# KiCad board robot-hub_rev3.kicad_pcb (continued)
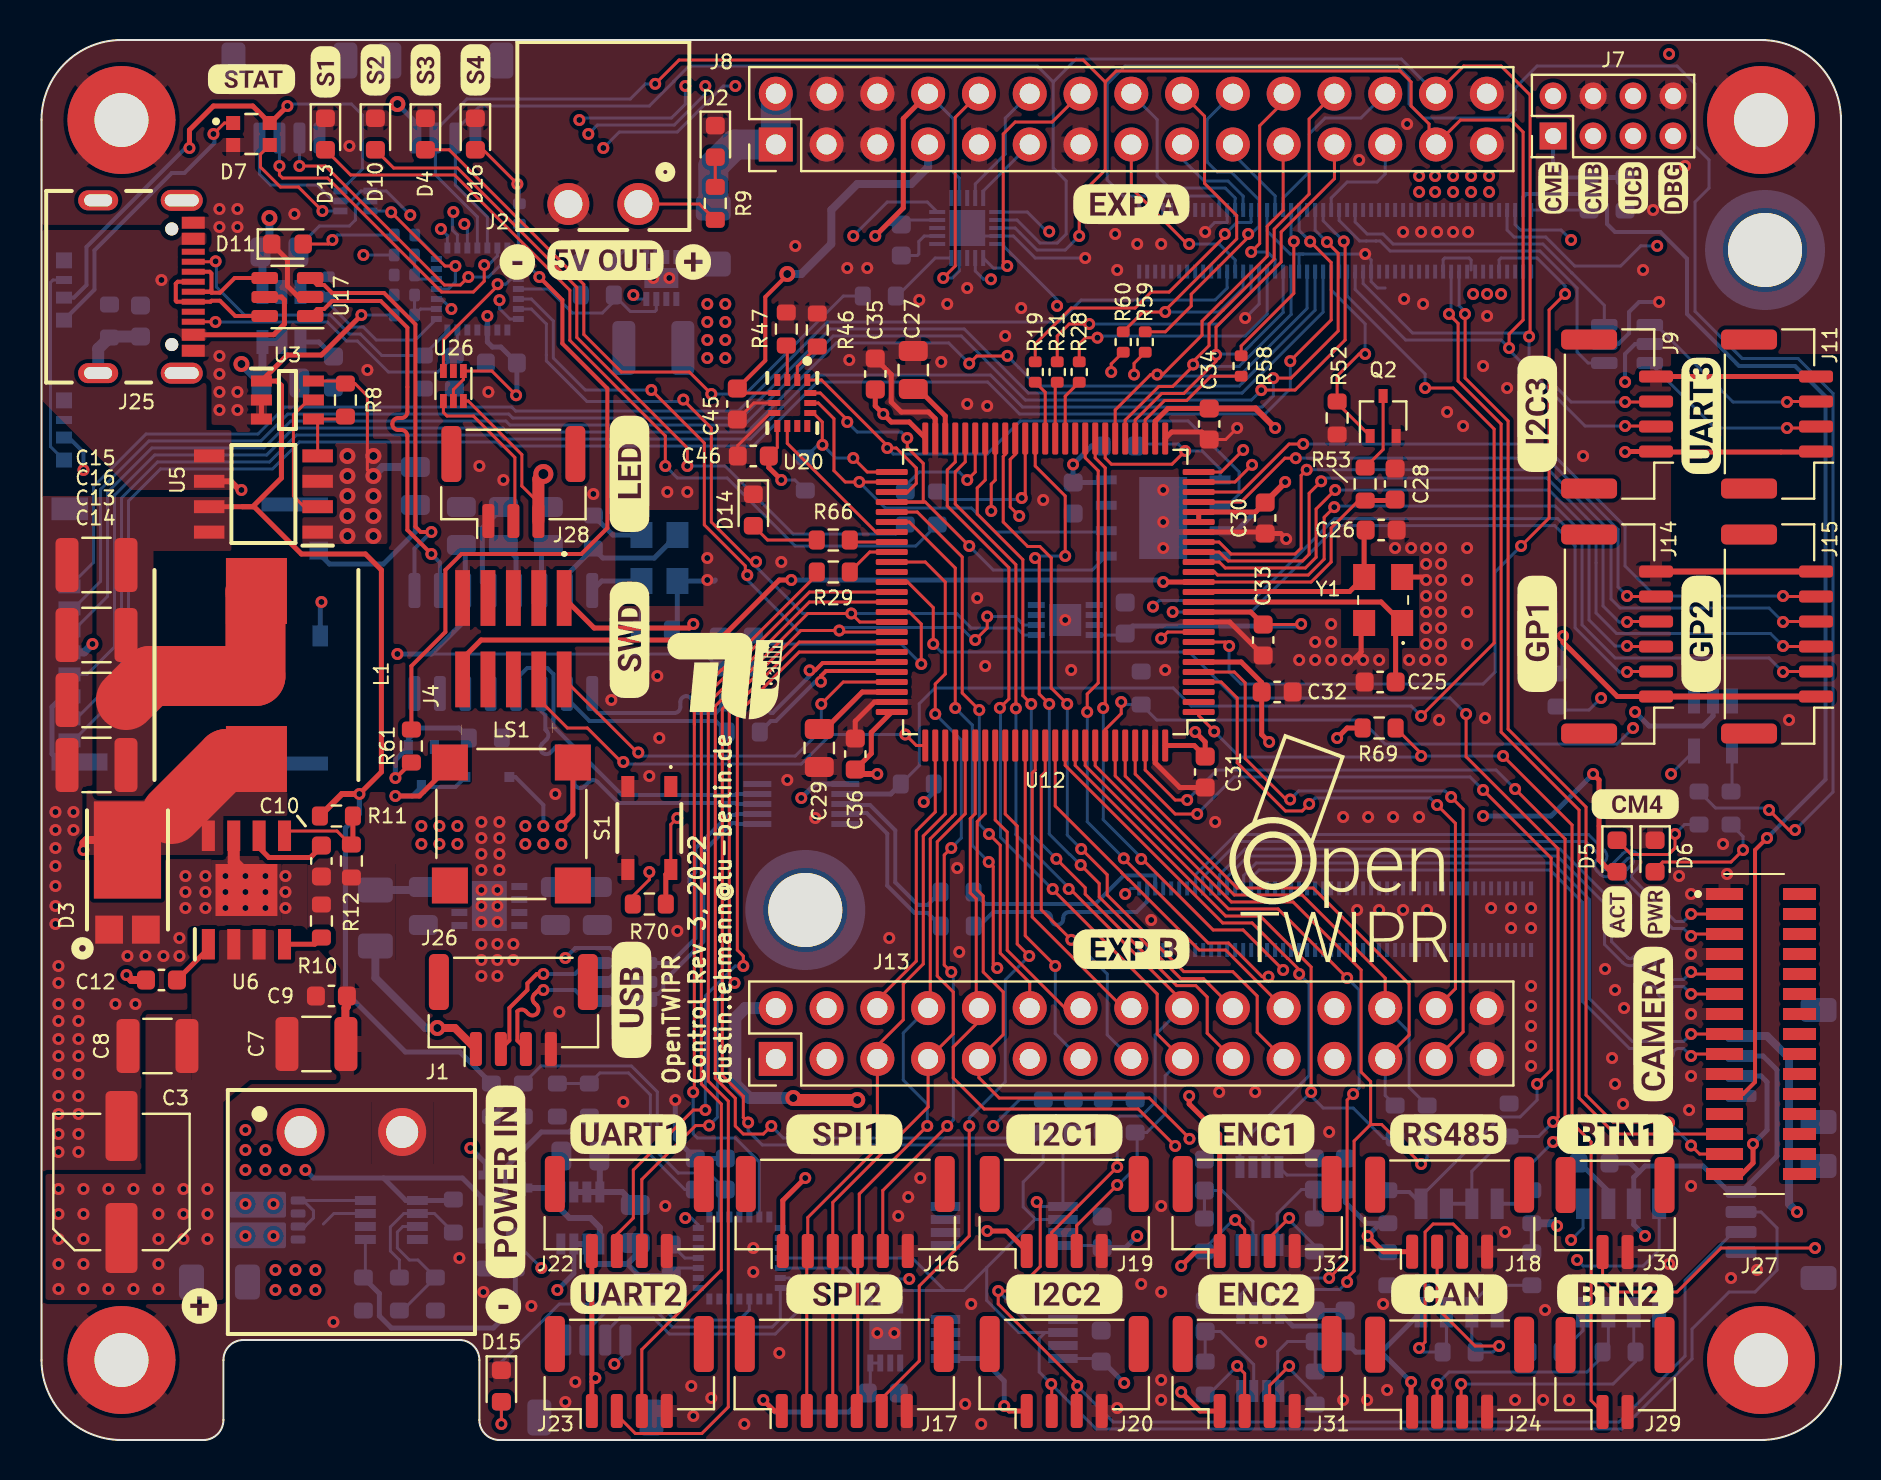
[diagram p0: board, top side]
## Library data of the parts (continued)
U4 = -: Datasheet: http://www.ti.com/lit/gpn/TPS22975; Description: 5.7V, 6A, 16m load switch with adjustable rise time & optional QOD; Height: 0.8; Manufacturer_Name: Texas Instruments; Mouser Part Number: 595-TPS22975NDSGT; Mouser Price/Stock: https://www.mouser.co.uk/ProductDetail/Texas-Instruments/TPS22975NDSGT?qs=zEmsApcVOkULdeorrdFAdw%3D%3D
U5 = -: OC_FARNELL: 1864523; OC_NEWARK: 25T5523; PACKAGE: SOIC-8; SUPPLIER: INTERNATIONAL RECTIFIER
U6 = -: Datasheet: http://www.ti.com/lit/gpn/lmr14050-q1; Description: Automotive 40V, 5A SIMPLE SWITCHER, 2.2MHz Step-Down Regulator with 40uA IQ; Height: 1.7; Manufacturer_Name: Texas Instruments; Mouser Part Number: 595-LMR14050SSDDARQ1; Mouser Price/Stock: https://www.mouser.co.uk/ProductDetail/Texas-Instruments/LMR14050SSQDDARQ1?qs=8%2FmU9qzJpL8CzCGeZgikSg%3D%3D
U7 = -: Datasheet: https://www.onsemi.com/pdf/datasheet/ncv8187-d.pdf; Description: LDO Voltage Regulators 1.2 A LOW IQ LOW DROPOUT VOLTAGE REGULATOR WITH POWER GOOD OUTPUT; Height: 1; Manufacturer_Name: ON Semiconductor; Mouser Part Number: 863-CV8187AMLE330TCG; Mouser Price/Stock: https://www.mouser.co.uk/ProductDetail/onsemi/NCV8187AMLE330TCG?qs=HBWAp0VN4RhK8HbhfCLXcQ%3D%3D
U8 U9 = -: Datasheet: https://www.arrow.com/en/products/m24512-dfdw6tp/stmicroelectronics; Description: EEPROM Serial-I2C 512K-bit 64K x 8 1.8V/2.5V/3.3V/5V 8-Pin TSSOP T/R; Height: 1.2; Manufacturer_Name: STMicroelectronics; Mouser Part Number: 511-M24512-DFDW6TP; Mouser Price/Stock: https://www.mouser.co.uk/ProductDetail/STMicroelectronics/M24512-DFDW6TP?qs=gNDSiZmRJS9C0LA%252B72O%2FCg%3D%3D
U10 = -: Datasheet: http://www.ti.com/lit/gpn/tps22810-q1; Description: Automotive 18V, 2A, 79m Load Switch With Adjustable Rise Time and Adjustable Quick Output Discharge; Height: 1.45; Manufacturer_Name: Texas Instruments; Mouser Part Number: 595-TPS22810TDBVRQ1; Mouser Price/Stock: https://www.mouser.co.uk/ProductDetail/Texas-Instruments/TPS22810TDBVRQ1?qs=55YtniHzbhC0pJNCFuxHfA%3D%3D
U11 = -: Datasheet: http://www.cypress.com/file/136076/download; Description: F-RAM F-RAM Memory Serial; Height: 0.8; Manufacturer_Name: Cypress Semiconductor; Mouser Part Number: 727-FM25V20A-DGQTR; Mouser Price/Stock: https://www.mouser.co.uk/ProductDetail/Cypress-Semiconductor/FM25V20A-DGQTR?qs=3Bi3m9r5MQaAAGOKvDXXuw%3D%3D
U12 = -: Datasheet: http://www.st.com/st-web-ui/static/active/en/resource/technical/document/datasheet/DM00387108.pdf; ki_fp_filters: LQFP*14x14mm*P0.5mm*
U13 U14 = -: Datasheet: https://www.st.com/resource/en/datasheet/stm32g031c6.pdf; Description: STMICROELECTRONICS - STM32G031G6U6 - ARM MCU, STM32 Family STM32G0 Series Microcontrollers, ARM Cortex-M0+, 32bit, 64 MHz, 32 KB, 8 KB; Height: 0.6; Manufacturer_Name: STMicroelectronics; Mouser Part Number: 511-STM32G031G6U6; Mouser Price/Stock: https://www.mouser.co.uk/ProductDetail/STMicroelectronics/STM32G031G6U6?qs=uwxL4vQweFPW1MMtF4vVDQ%3D%3D
U15 U17 U18 = -: Datasheet: http://www2.st.com/resource/en/datasheet/CD00050750.pdf; ki_fp_filters: SOT?23*
U19 = -: Datasheet: https://www.onsemi.com/pub/Collateral/FSUSB42-D.PDF; ki_fp_filters: MSOP*3x3mm*P0.5mm*
U20 = -: Description: IMUs - Inertial Measurement Units 9-axis (9DOF) Absolute Orientation MEMS Sensor; Height: 0.88; Manufacturer_Name: Bosch Sensortec; Mouser Part Number: 262-BMX160; Mouser Price/Stock: https://www.mouser.co.uk/ProductDetail/Bosch-Sensortec/BMX160?qs=w%2Fv1CP2dgqoayZdn49CsrA%3D%3D
U21 U22 = -: Datasheet: http://www.nxp.com/docs/en/data-sheet/PCT2075.pdf; Description: NXP - PCT2075TP,147 - Temperature Sensor IC, Digital, +/- 2C, -55 C, 125 C, SON, 8 Pins; Height: 0.8; Manufacturer_Name: NXP; Mouser Part Number: 771-PCT2075TP147; Mouser Price/Stock: https://www.mouser.co.uk/ProductDetail/NXP-Semiconductors/PCT2075TP147?qs=8kBc1%252BPe71eEyKWf3YBaGA%3D%3D
U23 = -: Datasheet: https://www.semtech.com/products/smart-sensing/io-expanders/sx1508b; Description: Lowest Voltage Level Shifting GPIO with LED Driver 20-Pin QFN-UT EP T/R; Height: 0.6; Manufacturer_Name: SEMTECH; Mouser Part Number: 947-SX1508BIULTRT; Mouser Price/Stock: https://www.mouser.co.uk/ProductDetail/Semtech/SX1508BIULTRT?qs=rBWM4%252BvDhIe1wnlgK0kn%2FQ%3D%3D
U24 = -: Datasheet: http://www.onsemi.com/pub/Collateral/MC74VHC1G14-D.PDF; Height: 1.1; Manufacturer_Name: ON Semiconductor; Mouser Part Number: 863-MC74VHC1G14DTT1G; Mouser Price/Stock: https://www.mouser.co.uk/ProductDetail/ON-Semiconductor/MC74VHC1G14DTT1G?qs=YOLdObVcOZkwAVViVe9vSg%3D%3D
U25 U26 = -: Datasheet: https://www.diodes.com/assets/Datasheets/74LVC1T45.pdf; Description: Translation - Voltage Levels Sgl Bit 1 Gate 5.5V 24mA 16uA 3 State; Height: 0.6; Manufacturer_Name: Diodes Inc.; Mouser Part Number: 621-74LVC1T45Z6-7; Mouser Price/Stock: https://www.mouser.co.uk/ProductDetail/Diodes-Incorporated/74LVC1T45Z6-7?qs=Oxncjon6mbri043VV7aCkA%3D%3D
U27 U28 = -: Datasheet: http://www.ti.com/lit/gpn/sn74lvc3g17; Description: Texas Instruments SN74LVC3G17DCTR, Triple, Schmitt Trigger Buffer, Non-Inverting, 1.65  5.5 V, 8-Pin SSOP; Height: 1.3; Manufacturer_Name: Texas Instruments; Mouser Part Number: 595-SN74LVC3G17DCTR; Mouser Price/Stock: https://www.mouser.co.uk/ProductDetail/Texas-Instruments/SN74LVC3G17DCTR?qs=0smPjiIwnfJoh6NdDLRU8g%3D%3D
U29 = -: Datasheet: http://www.ti.com/lit/ds/symlink/sn65hvd230.pdf; ki_fp_filters: SOIC*3.9x4.9mm*P1.27mm*
U30 = -: Datasheet: https://datasheets.maximintegrated.com/en/ds/MAX3483-MAX3491.pdf; ki_fp_filters: DIP*W7.62mm* SOIC*3.9x4.9mm*P1.27mm*
Y1 = -: ki_fp_filters: Crystal*
Y2 = -: Datasheet: https://ecsxtal.com/store/pdf/ecx-32.pdf; Description: Crystals 12.000MHz 20pF 10ppm -20C +70C; Height: 0.8; Manufacturer_Name: ECS; Mouser Part Number: 520-120-20-33-CKMT; Mouser Price/Stock: https://www.mouser.co.uk/ProductDetail/ECS/ECS-120-20-33-CKM-TR?qs=ttzZIJSyan3D8IeYzLfaEw%3D%3D

## Footprints (pads in the part's own frame, mm; a bottom-side part is the same pattern mirrored in y, then rotated)
503398-1892
  rect 0.7x1.1 smd: 1(4.17,-1.4) 2(5.27,-1.4) 3(6.37,-1.4) 4(7.47,-1.4) 5(8.57,-1.4) 6(9.67,-1.4) 7(10.77,-1.4) 8(11.87,-1.4)
  rect 0.9x0.93 smd: 9(2.38,-13.865)
  rect 1.05x0.78 smd: 10(6.645,-13.94)
  rect 0.7x3.33 smd: 11(13.03,-12.665) 14(0.07,-12.665)
  rect 0.86x2.8 smd: 12(12.95,-1.9)
  rect 1.14x1.83 smd: 13(0.29,-1.415)
117342485
  rect 0.6x1.85 smd: 1(7,-0.025) 2(6,-0.025) 3(5,-0.025) 4(4,-0.025) 5(3,-0.025) 6(2,-0.025) 7(1,-0.025) 8(0,-0.025) 9(-1,-0.025) 10(-2,-0.025) 11(-3,-0.025) 12(-4,-0.025) 13(-5,-0.025) 14(-6,-0.025) 15(-7,-0.025)
  rect 0.6x1.65 smd: 16(7,-3.775) 17(6,-3.775) 18(5,-3.775) 19(4,-3.775) 20(3,-3.775) 21(2,-3.775) 22(1,-3.775) 23(0,-3.775) 24(-1,-3.775) 25(-2,-3.775) 26(-3,-3.775) 27(-4,-3.775) 28(-5,-3.775) 29(-6,-3.775) 30(-7,-3.775)
434123025826
  rect 1.05x0.65 smd: 1(-2.075,1.075) 2(2.075,1.075) 3(-2.075,-1.075) 4(2.075,-1.075)
691313510002
  round 2.4 hole 1.6: 1(-2.54,0) 2(2.54,0)
691322110002
  round 2.1 hole 1.4: 1(-1.75,0) 2(1.75,0)
C_0603_1608Metric
  rrect 0.9x0.95 smd: 1(-0.775,0) 2(0.775,0)
C_0805_2012Metric
  rrect 1x1.45 smd: 1(-0.95,0) 2(0.95,0)
C_1210_3225Metric
  rrect 1.15x2.7 smd: 1(-1.475,0) 2(1.475,0)
CP_Elec_6.3x5.2
  rrect 3.5x1.6 smd: 1(-2.8,0) 2(2.8,0)
D_SOD-323F
  rect 0.5x0.5 smd: 1(-1.1,0) 2(1.1,0)
ECS1202033CKMTR
  rect 1.3x1.1 smd: 1(-1.15,-0.9) 2(1.15,-0.9) 3(1.15,0.9) 4(-1.15,0.9)
ECS2501833BCKYTR
  rect 1.3x1.1 smd: 1(-1.15,-0.95) 2(1.15,-0.95) 3(1.15,0.95) 4(-1.15,0.95)
FTSH10501LDVK
  rect 0.74x2.79 smd: 1(-2.54,0) 2(-2.54,4.07) 3(-1.27,0) 4(-1.27,4.07) 5(0,0) 6(0,4.07) 7(1.27,0) 8(1.27,4.07) 9(2.54,0) 10(2.54,4.07)
Fuse_1206_3216Metric
  rrect 1.25x1.75 smd: 1(-1.4,0) 2(1.4,0)
GCT_USB4105-GF-A
  round 0.65 hole 0.65 unplated: (-2.89,3.68) (2.89,3.68)
  rect 0.6x1.15 smd: A1_B12(-3.2,4.755) A4_B9(-2.4,4.755) B1_A12(3.2,4.755) B4_A9(2.4,4.755)
  rect 0.3x1.15 smd: A5(-1.25,4.755) A6(-0.25,4.755) A7(0.25,4.755) A8(1.25,4.755) B5(1.75,4.755) B6(0.75,4.755) B7(-0.75,4.755) B8(-1.75,4.755)
  oval 1.05x2.1 hole 0.6x1.7: S1(-4.32,4.18) S4(4.32,4.18)
  oval 1x2 hole 0.6x1.4: S2(-4.32,0) S3(4.32,0)
INDPM105102X500N
  rect 3.3x3.05 smd: 1(-4.2,0) 2(4.2,0)
JST_GH_BM02B-GHS-TBT_1x02-1MP_P1.25mm_Vertical
  rrect 0.6x1.7 smd: 1(-0.625,-1.95) 2(0.625,-1.95)
  rrect 1x2.8 smd: MP(-2.475,1.4) MP(2.475,1.4)
JST_GH_BM03B-GHS-TBT_1x03-1MP_P1.25mm_Vertical
  rrect 0.6x1.7 smd: 1(-1.25,-1.95) 2(0,-1.95) 3(1.25,-1.95)
  rrect 1x2.8 smd: MP(-3.1,1.4) MP(3.1,1.4)
JST_GH_BM04B-GHS-TBT_1x04-1MP_P1.25mm_Vertical
  rrect 0.6x1.7 smd: 1(-1.875,-1.95) 2(-0.625,-1.95) 3(0.625,-1.95) 4(1.875,-1.95)
  rrect 1x2.8 smd: MP(-3.725,1.4) MP(3.725,1.4)
JST_GH_BM06B-GHS-TBT_1x06-1MP_P1.25mm_Vertical
  rrect 0.6x1.7 smd: 1(-3.125,-1.95) 2(-1.875,-1.95) 3(-0.625,-1.95) 4(0.625,-1.95) 5(1.875,-1.95) 6(3.125,-1.95)
  rrect 1x2.8 smd: MP(-4.975,1.4) MP(4.975,1.4)
JST_SH_SM04B-SRSS-TB_1x04-1MP_P1.00mm_Horizontal
  rrect 0.6x1.55 smd: 1(-1.5,2) 2(-0.5,2) 3(0.5,2) 4(1.5,2)
  rrect 1.2x1.8 smd: MP(-2.8,-1.875) MP(2.8,-1.875)
LED_0603_1608Metric
  rrect 0.875x0.95 smd: 1(-0.787,0) 2(0.787,0)
LQFP-100_14x14mm_P0.5mm
  rrect 1.6x0.3 smd: 1(-7.675,6) 2(-7.675,5.5) 3(-7.675,5) 4(-7.675,4.5) 5(-7.675,4) 6(-7.675,3.5) 7(-7.675,3) 8(-7.675,2.5) 9(-7.675,2) 10(-7.675,1.5) 11(-7.675,1) 12(-7.675,0.5) 13(-7.675,0) 14(-7.675,-0.5) 15(-7.675,-1) 16(-7.675,-1.5) 17(-7.675,-2) 18(-7.675,-2.5) 19(-7.675,-3) 20(-7.675,-3.5) 21(-7.675,-4) 22(-7.675,-4.5) 23(-7.675,-5) 24(-7.675,-5.5) 25(-7.675,-6) 51(7.675,-6) 52(7.675,-5.5) 53(7.675,-5) 54(7.675,-4.5) 55(7.675,-4) 56(7.675,-3.5) 57(7.675,-3) 58(7.675,-2.5) 59(7.675,-2) 60(7.675,-1.5) 61(7.675,-1) 62(7.675,-0.5) 63(7.675,0) 64(7.675,0.5) 65(7.675,1) 66(7.675,1.5) 67(7.675,2) 68(7.675,2.5) 69(7.675,3) 70(7.675,3.5) 71(7.675,4) 72(7.675,4.5) 73(7.675,5) 74(7.675,5.5) 75(7.675,6)
  rrect 0.3x1.6 smd: 26(-6,-7.675) 27(-5.5,-7.675) 28(-5,-7.675) 29(-4.5,-7.675) 30(-4,-7.675) 31(-3.5,-7.675) 32(-3,-7.675) 33(-2.5,-7.675) 34(-2,-7.675) 35(-1.5,-7.675) 36(-1,-7.675) 37(-0.5,-7.675) 38(0,-7.675) 39(0.5,-7.675) 40(1,-7.675) 41(1.5,-7.675) 42(2,-7.675) 43(2.5,-7.675) 44(3,-7.675) 45(3.5,-7.675) 46(4,-7.675) 47(4.5,-7.675) 48(5,-7.675) 49(5.5,-7.675) 50(6,-7.675) 76(6,7.675) 77(5.5,7.675) 78(5,7.675) 79(4.5,7.675) 80(4,7.675) 81(3.5,7.675) 82(3,7.675) 83(2.5,7.675) 84(2,7.675) 85(1.5,7.675) 86(1,7.675) 87(0.5,7.675) 88(0,7.675) 89(-0.5,7.675) 90(-1,7.675) 91(-1.5,7.675) 92(-2,7.675) 93(-2.5,7.675) 94(-3,7.675) 95(-3.5,7.675) 96(-4,7.675) 97(-4.5,7.675) 98(-5,7.675) 99(-5.5,7.675) 100(-6,7.675)
MountingHole_2.7mm_M2.5_Pad
  round 5.4 hole 2.7: 1(0,0)
MSOP-10_3x3mm_P0.5mm
  rect 1.4x0.3 smd: 1(-2.2,1) 2(-2.2,0.5) 3(-2.2,0) 4(-2.2,-0.5) 5(-2.2,-1) 6(2.2,-1) 7(2.2,-0.5) 8(2.2,0) 9(2.2,0.5) 10(2.2,1)
PinHeader_2x04_P2.00mm_Vertical
  rect 1.35x1.35 hole 0.8: 1(0,0)
  oval 1.35x1.35 hole 0.8: 2(2,0) 3(0,-2) 4(2,-2) 5(0,-4) 6(2,-4) 7(0,-6) 8(2,-6)
PinHeader_2x15_P2.54mm_Vertical
  rect 1.7x1.7 hole 1: 1(0,0)
  oval 1.7x1.7 hole 1: 2(2.54,0) 3(0,-2.54) 4(2.54,-2.54) 5(0,-5.08) 6(2.54,-5.08) 7(0,-7.62) 8(2.54,-7.62) 9(0,-10.16) 10(2.54,-10.16) 11(0,-12.7) 12(2.54,-12.7) 13(0,-15.24) 14(2.54,-15.24) 15(0,-17.78) 16(2.54,-17.78) 17(0,-20.32) 18(2.54,-20.32) 19(0,-22.86) 20(2.54,-22.86) 21(0,-25.4) 22(2.54,-25.4) 23(0,-27.94) 24(2.54,-27.94) 25(0,-30.48) 26(2.54,-30.48) 27(0,-33.02) 28(2.54,-33.02) 29(0,-35.56) 30(2.54,-35.56)
POWERDI5
  rect 1.39x1.4 smd: 1(-0.92,-3.982) 2(0.92,-3.982)
  rect 3.36x4.86 smd: 3(0,0)
PQFN50P300X250X88-14N
  rect 0.6x0.3 smd: 1(-1.15,0.75) 2(-1.15,0.25) 3(-1.15,-0.25) 4(-1.15,-0.75) 8(1.15,-0.75) 9(1.15,-0.25) 10(1.15,0.25) 11(1.15,0.75)
  rect 0.3x0.6 smd: 5(-0.5,-0.9) 6(0,-0.9) 7(0.5,-0.9) 12(0.5,0.9) 13(0,0.9) 14(-0.5,0.9)
QFN40P300X300X60-21N
  rect 0.8x0.2 smd: 1(-1.5,0.8) 2(-1.5,0.4) 3(-1.5,0) 4(-1.5,-0.4) 5(-1.5,-0.8) 11(1.5,-0.8) 12(1.5,-0.4) 13(1.5,0) 14(1.5,0.4) 15(1.5,0.8)
  rect 0.2x0.8 smd: 6(-0.8,-1.5) 7(-0.4,-1.5) 8(0,-1.5) 9(0.4,-1.5) 10(0.8,-1.5) 16(0.8,1.5) 17(0.4,1.5) 18(0,1.5) 19(-0.4,1.5) 20(-0.8,1.5)
  rect 1.8x1.8 smd: 21(0,0)
QFN50P400X400X60-28N-D
  rect 0.55x0.3 smd: 1(-2.05,1.5) 2(-2.05,1) 3(-2.05,0.5) 4(-2.05,0) 5(-2.05,-0.5) 6(-2.05,-1) 7(-2.05,-1.5) 15(2.05,-1.5) 16(2.05,-1) 17(2.05,-0.5) 18(2.05,0) 19(2.05,0.5) 20(2.05,1) 21(2.05,1.5)
  rect 0.3x0.55 smd: 8(-1.5,-2.05) 9(-1,-2.05) 10(-0.5,-2.05) 11(0,-2.05) 12(0.5,-2.05) 13(1,-2.05) 14(1.5,-2.05) 22(1.5,2.05) 23(1,2.05) 24(0.5,2.05) 25(0,2.05) 26(-0.5,2.05) 27(-1,2.05) 28(-1.5,2.05)
R_0402_1005Metric
  rrect 0.54x0.64 smd: 1(-0.51,0) 2(0.51,0)
R_0603_1608Metric
  rrect 0.8x0.95 smd: 1(-0.825,0) 2(0.825,0)
Raspberry-Pi-4-Compute-Module
  rect 0.7x0.2 smd: 1(-2,31.3) 2(1.08,31.3) 3(-2,30.9) 4(1.08,30.9) 5(-2,30.5) 6(1.08,30.5) 7(-2,30.1) 8(1.08,30.1) 9(-2,29.7) 10(1.08,29.7) 11(-2,29.3) 12(1.08,29.3) 13(-2,28.9) 14(1.08,28.9) 15(-2,28.5) 16(1.08,28.5) 17(-2,28.1) 18(1.08,28.1) 19(-2,27.7) 20(1.08,27.7) 21(-2,27.3) 22(1.08,27.3) 23(-2,26.9) 24(1.08,26.9) 25(-2,26.5) 26(1.08,26.5) 27(-2,26.1) 28(1.08,26.1) 29(-2,25.7) 30(1.08,25.7) 31(-2,25.3) 32(1.08,25.3) 33(-2,24.9) 34(1.08,24.9) 35(-2,24.5) 36(1.08,24.5) 37(-2,24.1) 38(1.08,24.1) 39(-2,23.7) 40(1.08,23.7) 41(-2,23.3) 42(1.08,23.3) 43(-2,22.9) 44(1.08,22.9) 45(-2,22.5) 46(1.08,22.5) 47(-2,22.1) 48(1.08,22.1) 49(-2,21.7) 50(1.08,21.7) 51(-2,21.3) 52(1.08,21.3) 53(-2,20.9) 54(1.08,20.9) 55(-2,20.5) 56(1.08,20.5) 57(-2,20.1) 58(1.08,20.1) 59(-2,19.7) 60(1.08,19.7) 61(-2,19.3) 62(1.08,19.3) 63(-2,18.9) 64(1.08,18.9) 65(-2,18.5) 66(1.08,18.5) 67(-2,18.1) 68(1.08,18.1) 69(-2,17.7) 70(1.08,17.7) 71(-2,17.3) 72(1.08,17.3) 73(-2,16.9) 74(1.08,16.9) 75(-2,16.5) 76(1.08,16.5) 77(-2,16.1) 78(1.08,16.1) 79(-2,15.7) 80(1.08,15.7) 81(-2,15.3) 82(1.08,15.3) 83(-2,14.9) 84(1.08,14.9) 85(-2,14.5) 86(1.08,14.5) 87(-2,14.1) 88(1.08,14.1) 89(-2,13.7) 90(1.08,13.7) 91(-2,13.3) 92(1.08,13.3) 93(-2,12.9) 94(1.08,12.9) 95(-2,12.5) 96(1.08,12.5) 97(-2,12.1) 98(1.08,12.1) 99(-2,11.7) 100(1.08,11.7) 101(31.92,31.3) 102(35,31.3) 103(31.92,30.9) 104(35,30.9) 105(31.92,30.5) 106(35,30.5) 107(31.92,30.1) 108(35,30.1) 109(31.92,29.7) 110(35,29.7) 111(31.92,29.3) 112(35,29.3) 113(31.92,28.9) 114(35,28.9) 115(31.92,28.5) 116(35,28.5) 117(31.92,28.1) 118(35,28.1) 119(31.92,27.7) 120(35,27.7) 121(31.92,27.3) 122(35,27.3) 123(31.92,26.9) 124(35,26.9) 125(31.92,26.5) 126(35,26.5) 127(31.92,26.1) 128(35,26.1) 129(31.92,25.7) 130(35,25.7) 131(31.92,25.3) 132(35,25.3) 133(31.92,24.9) 134(35,24.9) 135(31.92,24.5) 136(35,24.5) 137(31.92,24.1) 138(35,24.1) 139(31.92,23.7) 140(35,23.7) 141(31.92,23.3) 142(35,23.3) 143(31.92,22.9) 144(35,22.9) 145(31.92,22.5) 146(35,22.5) 147(31.92,22.1) 148(35,22.1) 149(31.92,21.7) 150(35,21.7) 151(31.92,21.3) 152(35,21.3) 153(31.92,20.9) 154(35,20.9) 155(31.92,20.5) 156(35,20.5) 157(31.92,20.1) 158(35,20.1) 159(31.92,19.7) 160(35,19.7) 161(31.92,19.3) 162(35,19.3) 163(31.92,18.9) 164(35,18.9) 165(31.92,18.5) 166(35,18.5) 167(31.92,18.1) 168(35,18.1) 169(31.92,17.7) 170(35,17.7) 171(31.92,17.3) 172(35,17.3) 173(31.92,16.9) 174(35,16.9) 175(31.92,16.5) 176(35,16.5) 177(31.92,16.1) 178(35,16.1) 179(31.92,15.7) 180(35,15.7) 181(31.92,15.3) 182(35,15.3) 183(31.92,14.9) 184(35,14.9) 185(31.92,14.5) 186(35,14.5) 187(31.92,14.1) 188(35,14.1) 189(31.92,13.7) 190(35,13.7) 191(31.92,13.3) 192(35,13.3) 193(31.92,12.9) 194(35,12.9) 195(31.92,12.5) 196(35,12.5) 197(31.92,12.1) 198(35,12.1) 199(31.92,11.7) 200(35,11.7)
SK6812SIDE
  rect 0.75x0.8 smd: 1(-1.505,0.325)
  rect 0.6x0.8 smd: 2(-0.38,0.325)
  rect 0.4x0.8 smd: 3(0.5,0.325)
  rect 0.8x0.8 smd: 4(1.48,0.325)
SO-16_3.9x9.9mm_P1.27mm
  rrect 1.75x0.6 smd: 1(-2.575,4.445) 2(-2.575,3.175) 3(-2.575,1.905) 4(-2.575,0.635) 5(-2.575,-0.635) 6(-2.575,-1.905) 7(-2.575,-3.175) 8(-2.575,-4.445) 9(2.575,-4.445) 10(2.575,-3.175) 11(2.575,-1.905) 12(2.575,-0.635) 13(2.575,0.635) 14(2.575,1.905) 15(2.575,3.175) 16(2.575,4.445)
SOIC127P600X170-9N
  rect 1.525x0.65 smd: 1(-2.712,1.905) 2(-2.712,0.635) 3(-2.712,-0.635) 4(-2.712,-1.905) 5(2.712,-1.905) 6(2.712,-0.635) 7(2.712,0.635) 8(2.712,1.905)
  rect 2.6x3.1 smd: 9(0,0)
SOIC127P600X175-8N
  rect 1.525x0.65 smd: 1(-2.712,1.905) 2(-2.712,0.635) 3(-2.712,-0.635) 4(-2.712,-1.905) 5(2.712,-1.905) 6(2.712,-0.635) 7(2.712,0.635) 8(2.712,1.905)
SOIC127P600X175-8N#2
  rect 1.525x0.7 smd: 1(-2.712,1.905) 2(-2.712,0.635) 3(-2.712,-0.635) 4(-2.712,-1.905) 5(2.712,-1.905) 6(2.712,-0.635) 7(2.712,0.635) 8(2.712,1.905)
SON50P200X200X80-9N
  rect 0.7x0.3 smd: 1(-1.05,0.75) 2(-1.05,0.25) 3(-1.05,-0.25) 4(-1.05,-0.75) 5(1.05,-0.75) 6(1.05,-0.25) 7(1.05,0.25) 8(1.05,0.75)
  rect 1x1.7 smd: 9(0,0)
SON50P300X200X80-9N
  rect 0.85x0.3 smd: 1(-1.45,0.75) 2(-1.45,0.25) 3(-1.45,-0.25) 4(-1.45,-0.75) 5(1.45,-0.75) 6(1.45,-0.25) 7(1.45,0.25) 8(1.45,0.75)
  rect 1.6x1.6 smd: 9(0,0)
SON65P300X300X100-9N-D
  rect 0.8x0.35 smd: 1(-1.5,0.975) 2(-1.5,0.325) 3(-1.5,-0.325) 4(-1.5,-0.975) 5(1.5,-0.975) 6(1.5,-0.325) 7(1.5,0.325) 8(1.5,0.975)
  rect 1.75x2.5 smd: 9(0,0)
SON127P600X500X80-9N
  rect 1.05x0.45 smd: 1(-2.85,1.905) 2(-2.85,0.635) 3(-2.85,-0.635) 4(-2.85,-1.905) 5(2.85,-1.905) 6(2.85,-0.635) 7(2.85,0.635) 8(2.85,1.905)
  rect 2.4x4.1 smd: 9(0,0)
SOP65P400X130-8N
  rect 1.1x0.45 smd: 1(-1.95,0.975) 2(-1.95,0.325) 3(-1.95,-0.325) 4(-1.95,-0.975) 5(1.95,-0.975) 6(1.95,-0.325) 7(1.95,0.325) 8(1.95,0.975)
SOP65P640X120-8N
  rect 1.475x0.45 smd: 1(-2.938,0.975) 2(-2.938,0.325) 3(-2.938,-0.325) 4(-2.938,-0.975) 5(2.938,-0.975) 6(2.938,-0.325) 7(2.938,0.325) 8(2.938,0.975)
SOT65P280X100-8N
  rect 1.05x0.45 smd: 1(-1.3,0.975) 2(-1.3,0.325) 3(-1.3,-0.325) 4(-1.3,-0.975) 5(1.3,-0.975) 6(1.3,-0.325) 7(1.3,0.325) 8(1.3,0.975)
SOT95P275X110-5N
  rect 1.25x0.6 smd: 1(-1.25,0.95) 2(-1.25,0) 3(-1.25,-0.95) 4(1.25,-0.95) 5(1.25,0.95)
SOT95P280X100-6N
  rect 1.05x0.55 smd: 1(-1.3,0.95) 2(-1.3,0) 3(-1.3,-0.95) 4(1.3,-0.95) 5(1.3,0) 6(1.3,0.95)
SOT95P280X145-6N
  rect 1.2x0.6 smd: 1(-1.25,0.95) 2(-1.25,0) 3(-1.25,-0.95) 4(1.25,-0.95) 5(1.25,0) 6(1.25,0.95)
SOT-23-6
  rrect 1.325x0.6 smd: 1(-1.137,0.95) 2(-1.137,0) 3(-1.137,-0.95) 4(1.137,-0.95) 5(1.137,0) 6(1.137,0.95)
SOT-323_SC-70
  rect 0.7x0.45 smd: 1(-1,0.65) 2(-1,-0.65) 3(1,0)
SOT-563
  rect 0.7x0.34 smd: 1(-0.75,0.5) 2(-0.75,0) 3(-0.75,-0.5) 4(0.75,-0.5) 5(0.75,0) 6(0.75,0.5)
TRANS_CSD87503Q3ET
  custom 0.74x0.41 smd: 1(-1.535,0.975) 2(-1.535,0.325) 3(-1.535,-0.325) 4(-1.535,-0.975)
  custom 2.83x1.29 smd: 9(0,0.975) 10(0,-0.425)
WA-SMSI-25
  round 6 hole 3.7 unplated: (0,0)
ws2812_2020
  rect 0.7x0.7 smd: 1(-0.915,0.55) 2(-0.915,-0.55) 3(0.915,-0.55) 4(0.915,0.55)
XDCR_CMT-7525-80-SMT-TR
  rect 1.8x1.8 smd: 1(3.075,3.075) 2(3.075,-3.075) N(-3.075,-3.075) P(-3.075,3.075)

## Nets
3V3_CM4: C19.1 C49.1 D5.2 J8.8 J9.1 J10.3 J11.1 J27.15 Module1.78 Module1.84 Module1.86 R45.1 U10.1 U14.28 U15.5 U19.1 U23.1 U23.7 U23.14 U23.17 U24.5
3V3_SUPERVISOR: C2.1 C37.1 J5.1 U1.6 U1.7 U13.3
5V_REG: C13.1 C14.1 C15.1 C16.1 L1.2 R11.1 R30.2 R36.2 U3.1 U5.7 U5.8
5V_SWITCHED: F2.2 J2.1 J8.1 J8.2 J12.1 R9.2
5V_USB: C42.1 J25.A4_B9 J25.B4_A9 R15.1 R34.2 U5.5 U5.6 U16.11 U17.5
+3V3: C17.1 C18.1 C20.1 C21.2 C22.1 C30.1 C31.1 C32.1 C33.1 C34.2 C35.1 C36.1 C40.1 C45.1 C46.1 C47.1 C48.1 C50.1 C51.1 C52.1 D9.1 J4.1 J6.1 J8.7 J10.2 J13.3 J13.4 J14.1 J15.1 J16.1 J17.1 J18.1 J19.1 J20.1 J21.1 J22.1 J23.1 J24.1 LS1.P R13.1 R18.1 R20.1 R22.1 R23.1 R39.1 R48.1 R69.1 R70.1 R71.1 R74.1 R82.2 U7.1 U7.2 U8.1 U8.8 U9.8 U11.3 U11.8 U12.6 U12.11 U12.20 U12.21 U12.27 U12.50 U12.75 U12.100 U14.3 U20.5 U20.8 U21.7 U21.8 U22.8 U25.1 U25.5 U26.1 U26.5 U27.8 U28.8 U29.3 U30.8
+5V: C4.1 C5.1 C11.1 D1.2 D7.4 D8.2 D12.2 F3.1 J10.1 J13.2 J28.3 J31.1 J32.1 Module1.77 Module1.79 Module1.81 Module1.83 Module1.85 Module1.87 R8.1 U3.6 U4.1 U4.2 U4.4 U5.1 U5.3 U7.7 U7.8 U18.5 U25.6 U26.6
GND: C1.2 C2.2 C3.2 C4.2 C5.2 C6.1 C7.2 C8.2 C9.2 C10.2 C11.2 C13.2 C14.2 C15.2 C16.2 C17.2 C18.2 C19.2 C20.2 C21.1 C22.2 C23.2 C24.2 C25.2 C26.2 C27.1 C28.2 C29.1 C30.2 C31.2 C32.2 C33.2 C34.1 C35.2 C36.2 C37.2 C38.1 C39.1 C40.2 C41.2 C42.2 C43.2 C44.2 C45.2 C46.2 C47.2 C48.2 C49.2 C50.2 C51.2 C52.2 C53.2 C54.2 C55.2 C56.2 D2.1 D3.1 D3.2 D4.1 D6.1 D7.2 D8.4 D10.1 D11.1 D12.4 D13.1 D14.1 D15.1 D16.1 H3.1 H4.1 H5.1 H6.1 J1.2 J2.2 J3.6 J3.9 J3.12 J4.3 J4.5 J4.9 J5.4 J6.4 J7.4 J7.8 J8.3 J8.4 J8.5 J8.6 J8.9 J8.13 J8.29 J8.30 J9.4 J10.4 J11.4 J12.4 J13.29 J13.30 J14.6 J15.6 J16.6 J17.6 J18.4 J19.4 J20.4 J21.4 J22.4 J23.4 J24.4 J25.A1_B12 J25.B1_A12 J26.4 J27.1 J27.4 J27.7 J27.10 J28.1 J29.2 J30.2 J31.4 J32.4 Module1.1 Module1.2 Module1.7 Module1.8 Module1.13 Module1.14 Module1.22 Module1.23 Module1.32 Module1.33 Module1.42 Module1.43 Module1.52 Module1.53 Module1.59 Module1.60 Module1.65 Module1.66 Module1.71 Module1.74 Module1.98 Module1.107 Module1.108 Module1.113 Module1.114 Module1.119 Module1.120 Module1.125 Module1.126 Module1.131 Module1.132 Module1.137 Module1.138 Module1.144 Module1.150 Module1.155 Module1.156 Module1.161 Module1.162 Module1.167 Module1.168 Module1.173 Module1.174 Module1.179 Module1.180 Module1.185 Module1.186 Module1.191 Module1.192 Module1.197 Module1.198 Q2.2 Q3.2 R2.1 R6.2 R7.1 R10.2 R12.2 R14.1 R16.2 R17.2 R31.1 R33.1 R35.1 R37.1 R40.2 R41.2 R42.2 R43.2 R44.1 R46.2 R47.2 R52.2 R57.1 R62.2 R72.2 R73.2 R81.1 S1.3 S1.4 U1.2 U1.3 U1.4 U2.4 U3.2 U3.3 U4.5 U4.9 U6.7 U6.9 U7.5 U7.9 U8.2 U8.3 U8.4 U9.1 U9.2 U9.3 U9.4 U10.2 U11.4 U11.9 U12.10 U12.19 U12.26 U12.49 U12.74 U12.99 U13.4 U14.4 U15.2 U16.12 U17.2 U18.2 U19.5 U19.10 U20.6 U20.7 U21.4 U21.5 U21.6 U21.9 U22.4 U22.5 U22.6 U22.7 U22.9 U23.4 U23.8 U23.12 U23.18 U23.21 U24.3 U25.2 U26.2 U27.4 U28.4 U29.2 U30.5 Y1.2 Y1.4 Y2.2 Y2.4
/Microcontrollers/UC_USB_N: R26.1 U12.70
/Microcontrollers/UC_USB_P: R27.1 U12.71
BOOT0: J7.5 R17.1 U12.94 U23.5
BUTTON_INTERN: R70.2 S1.2 U12.9
CAM_GPIO: J27.11 Module1.97
CAM_SCL: J27.13 Module1.80
CAM_SDA: J27.14 Module1.82
CAMC_N: J27.8 Module1.127
CAMC_P: J27.9 Module1.129
CAMD0_N: J27.2 Module1.115
CAMD0_P: J27.3 Module1.117
CAMD1_N: J27.5 Module1.121
CAMD1_P: J27.6 Module1.123
CANH: J24.2 R79.1 U29.7
CANL: J24.3 R79.2 U29.6
CANRX: J13.10 U12.81 U29.4
CANTX: J13.9 U12.82 U29.1
CC1: J25.A5 R41.1 U14.7
CC2: J25.B5 R40.1 U14.6
CM4_EN: J7.1 R56.2 R57.2
CM4_EN_SIGNAL: J7.2 U14.17
CM4_INT2: Module1.30 R21.2
CM4_NRST: Module1.50 Q2.1 R52.1
CM4_RXD0: Module1.51 U15.1
CM4_RXD0_OUT: J11.2 U15.6
CM4_RXD2: J8.19 Module1.35
CM4_RXD5: J8.18 Module1.28 R60.1
CM4_SCL1: J8.27 J9.2 J12.2 Module1.56 U14.18 U23.3
CM4_SDA1: J8.28 J9.3 J12.3 Module1.58 U14.19 U23.2
CM4_SPI0_CE0: Module1.39 R58.1
CM4_SPI0_CE1: J8.26 Module1.37
CM4_SPI0_MISO: J8.24 Module1.40 U12.30
CM4_SPI0_MOSI: J8.21 Module1.44 U12.31
CM4_SPI0_SCLK: J8.23 Module1.38 U12.29
CM4_SPI6_MOSI: J8.17 Module1.27
CM4_SPI6_SCLK: J8.16 Module1.25
CM4_TXD0: Module1.55 U15.3
CM4_TXD0_OUT: J11.3 U15.4
CM4_TXD2: J8.22 Module1.36
CM4_TXD5: J8.20 Module1.31 R59.1
CM4_UC_NEW_SAMPLES: Module1.34 R28.1
CM4_UC_RESET_UART: Module1.29 R19.2
CM4_USB_SWITCH_DIR: Module1.54 R45.2 U19.2
CS_FLASH: R13.2 U11.1 U12.32
CS_IMU: R48.2 U12.51 U20.12
DBG_JMP: J7.7 U14.16
DETECT_USB: R15.2 R16.1 U12.65
ENABLE_5V_OUT: R7.2 U4.3 U14.25
ENABLE_SD: R14.2 U10.3 U14.8
ENC1_A: R25.2 U12.93 U27.7
ENC1_B: U12.92 U27.5
ENC2_A: R24.2 U12.91 U28.7
ENC2_B: U12.90 U28.5
G031_LED: R68.1 U14.22
G031_SWCLK: J6.3 U14.21
G031_SWDIO: J6.2 U14.20
HSV_ADC_5V_REG: C38.2 R30.1 R31.2 U13.9
HSV_ADC_BAT: C39.2 R32.1 R33.2 U13.8
IMU_INT1: U20.4
IMU_INT2: U12.57 U20.9
LTC4412_STAT: R8.2 U3.4 U5.4
MEAS_5V_REG_UMCU: R36.1 R37.2 U14.9
MEAS_5V_USB_UMCU: R34.1 R35.2 U14.12
nPWR_LED: Module1.95 U24.2
nRPIBOOT: J7.3 Module1.93
NRST: C28.1 J4.10 R53.2 U12.14
PC0: J14.3 U12.15
PC1: J15.3 U12.16
PD2: J13.14 U12.83
PD5: J13.13 U12.86
PD6: J13.16 U12.87
PD7: J13.15 U12.88
PD8: J13.12 U12.55
PD9: J13.11 U12.56
PE9: J13.20 U12.39
PE11: J14.2 U12.41
PE12: J13.21 U12.42
PE13: J15.2 U12.43
PE14: J13.19 U12.44
PE_OUT2: J8.14 U23.6
PE_OUT3: J8.10 U23.9
PE_OUT5: J8.11 U23.20
PE_OUT6: U23.16
PE_OUT7: J8.12 U23.19
POWER_IN: D1.1 J1.1 Q1.9 R3.2 R4.1 R32.2 U2.1
POWER_LED: R67.1 U13.24
PWM0: J8.25 Module1.49
PWM1: J8.15 Module1.26
PWM_BUZZER: R61.2 U14.23
PWM_NEOPIXEL_1: U14.11 U25.3
PWM_NEOPIXEL_2: U14.24 U26.3
RS485_1_A: J18.2 R80.2 R82.1 U30.6
RS485_1_B: J18.3 R80.1 R81.2 U30.7
RS485_EN: R72.1 U12.62 U30.2 U30.3
RS485_RX: R74.2 U12.97 U30.1
RS485_TX: R71.2 U12.98 U30.4
RUN_PG: Module1.92 U12.8
SD_CARD_SWITCH: J3.10 U14.10
SD_CLK: J3.5 Module1.46
SD_CMD: J3.3 Module1.47
SD_DAT0: J3.7 Module1.45
SD_DAT1: J3.8 Module1.41
SD_DAT2: J3.1 Module1.24
SD_DAT3: J3.2 Module1.48
SD_POWER: C24.1 J3.4 U10.5 U10.6
SHDN_LTC4365: R1.2 U13.7
SUPERVISOR_INT: R29.2 U12.59
SUPERVISOR_SWCLK: J5.3 U13.21
SUPERVISOR_SWDIO: J5.2 U13.20
SWCLK: J4.4 U12.76
SWDIO: J4.2 U12.72
UC_ACT_LED: R66.1 U12.58
UC_AIN1: J13.24 U12.33
UC_AIN2: J13.23 U12.34
UC_AIN3: J14.4 U12.17
UC_AIN4: J15.4 U12.18
UC_CM4_D_N: R50.2 U19.4
UC_CM4_D_P: R51.2 U19.3
UC_I2C_INTERN_SCL: J20.2 J21.2 R23.2 U8.6 U9.6 U12.67 U13.18 U14.26 U21.2 U22.2
UC_I2C_INTERN_SDA: J20.3 J21.3 R22.2 U8.5 U9.5 U12.66 U13.19 U14.27 U21.1 U22.1
UC_LED1: R63.1 U12.45
UC_LED2: R65.1 U12.40
UC_PWM1: J13.28 U12.4
UC_PWM2: J13.27 U12.5
UC_PWM3: J15.5 U12.23
UC_PWM4: J14.5 U12.22
UC_SCL_2: J13.18 J19.2 R20.2 U12.46
UC_SDA_2: J13.17 J19.3 R18.2 U12.47
UC_SPI1_CS_EXT1: J17.5 U12.84
UC_SPI1_MISO: U11.2 U12.53 U20.1
UC_SPI1_MOSI: U11.5 U12.54 U20.14
UC_SPI1_SCLK: U11.6 U12.52 U20.13
UC_SPI2_CS_EXT1: J16.5 U12.60
UC_SPI2_MISO: J13.8 J16.4 J17.4 U12.79
UC_SPI2_MOSI: J13.7 J16.3 J17.3 U12.80
UC_SPI2_SCLK: J13.5 J16.2 J17.2 U12.78
UC_SPI_CM4_CS: R58.2 U12.28
UC_TIM1: J13.26 R25.1 U12.95
UC_TIM2: J13.25 R24.1 U12.96
UC_UART_CM4_RX: R59.2 U12.25
UC_UART_CM4_TX: R60.2 U12.24
UC_UART_EXT1_RX: J22.2 U12.69
UC_UART_EXT1_TX: J22.3 U12.68
UC_UART_EXT2_RX: J23.2 U12.64
UC_UART_EXT2_TX: J23.3 U12.63
UC_UART_EXT3_RX: J13.22 U12.89
UC_UART_EXT3_TX: J13.6 U12.77
UC_USB_D_N: R26.2 U16.1
UC_USB_D_P: R27.2 U16.2
USB_CM4_DEVICE_N: U16.3 U19.8
USB_CM4_DEVICE_P: U16.4 U19.9
USB_EXT_N: U18.3 U19.6
USB_EXT_OUT_N: J26.3 U18.4
USB_EXT_OUT_P: J26.2 U18.6
USB_EXT_P: U18.1 U19.7
USB_IN_N: J25.A7 J25.B7 U17.4
USB_IN_P: J25.A6 J25.B6 U17.6
USB_LED: R64.1 U14.14
USB_N: U16.9 U17.3
USB_OTG_ID: Module1.101 U23.15
USB_P: U16.10 U17.1
USB_SHIELD: C41.1 J25.S3 R42.1
USER_BTN_EXT: J29.1 R69.2 U12.1
USER_BTN_EXT2: J30.1 U14.15
V_PWR: C3.1 C7.1 C8.1 C9.1 F1.2 J13.1 U6.2 U6.3
Net-(D2-A): D2.2 R9.1
Net-(D4-A): D4.2 R49.2
Net-(D5-K): D5.1 R54.1
Net-(D6-A): D6.2 R55.1
Net-(D7-DI): D7.3 U25.4
Net-(D7-DO): D7.1 D8.1
Net-(D9-A): D9.2 LS1.N Q3.3
Net-(D10-A): D10.2 R63.2
Net-(D11-A): D11.2 R64.2
Net-(D12-DIN): D8.3 D12.1
Net-(D13-A): D13.2 R65.2
Net-(D14-A): D14.2 R66.2
Net-(D15-A): D15.2 R67.2
Net-(D16-A): D16.2 R68.2
Net-(J7-Pin_6): J7.6 R39.2
Net-(J26-Pin_1): F3.2 J26.1
Net-(J28-Pin_2): J28.2 U26.4
Net-(J31-Pin_2): J31.2 R77.2
Net-(J31-Pin_3): J31.3 R75.2
Net-(J32-Pin_2): J32.2 R78.2
Net-(J32-Pin_3): J32.3 R76.2
Net-(Module1A-Global_EN): Module1.99 R56.1
Net-(Module1A-PI_nLED_Activity): Module1.21 R54.2
Net-(Module1B-USB2_N): Module1.103 R50.1
Net-(Module1B-USB2_P): Module1.105 R51.1
Net-(Q2-D): Q2.3 R53.1
Net-(Q3-B): Q3.1 R61.1 R62.1
Net-(U1-IN): C1.1 D1.3 U1.1 U1.5
Net-(U2-GATE): Q1.1 Q1.3 U2.8
Net-(U2-OV): R5.2 R6.1 U2.3
Net-(U2-UV): R4.2 R5.1 U2.2
Net-(U2-VOUT): F1.1 Q1.10 U2.7
Net-(U2-~{SHDN}): R1.1 R2.2 R3.1 U2.5
Net-(U3-GATE): U3.5 U5.2
Net-(U4-CT): C6.2 U4.6
Net-(U4-VOUT_1): F2.1 U4.7 U4.8
Net-(U6-BOOT): C12.1 U6.1
Net-(U6-FB): R11.2 R12.1 U6.5
Net-(U6-RT/SYNC): R10.1 U6.4
Net-(U6-SS): C10.1 U6.6
Net-(U6-SW): C12.2 D3.3 L1.1 U6.8
Net-(U10-CT): C23.1 U10.4
Net-(U12-PB2): R28.2 U12.36
Net-(U12-PE7): R21.1 U12.37
Net-(U12-PE8): R19.1 U12.38
Net-(U12-PH0): C25.1 U12.12 Y1.1
Net-(U12-PH1): C26.1 U12.13 Y1.3
Net-(U12-VCAP1): C27.2 U12.48
Net-(U12-VCAP2): C29.2 U12.73
Net-(U13-PA7): R29.1 U13.13
Net-(U16-VDD18): C44.1 U16.14
Net-(U16-VDD33): C43.1 U16.13
Net-(U16-XIN): R44.2 U16.16 Y2.1
Net-(U16-XOUT): R43.1 U16.15 Y2.3
Net-(U20-GND_1): R46.1 U20.2
Net-(U20-GND_2): R47.1 U20.3
Net-(U23-I/O[3]): R49.1 U23.10
Net-(U24-OUT~{Y}): R55.2 U24.4
Net-(U27-1A): C53.1 R75.1 U27.1
Net-(U27-2A): C55.1 R77.1 U27.3
Net-(U28-1A): C54.1 R76.1 U28.1
Net-(U28-2A): C56.1 R78.1 U28.3
Net-(U29-Rs): R73.1 U29.8

Pads without a net: D12 3; J3 11 13 14; J4 6 7 8; J5 MP; J6 MP; J9 MP; J10 MP; J11 MP; J12 MP; J14 MP; J15 MP; J16 MP; J17 MP; J18 MP; J19 MP; J20 MP; J21 MP; J22 MP; J23 MP; J24 MP; J25 A8 B8 S1 S2 S4; J26 MP; J27 12 16 17 18 19 20 21 22 23 24 25 26 27 28 29 30; J28 MP; J29 MP; J30 MP; J31 MP; J32 MP; LS1 1 2; Module1 3 4 5 6 9 10 11 12 15 16 17 18 19 20 57 61 62 63 64 67 68 69 70 72 73 75 76 88 89 90 91 94 96 100 102 104 106 109 110 111 112 116 118 122 124 128 130 133 134 135 136 139 140 141 142 143 145 146 147 148 149 151 152 153 154 157 158 159 160 163 164 165 166 169 170 171 172 175 176 177 178 181 182 183 184 187 188 189 190 193 194 195 196 199 200; Q1 2 4; S1 1; U1 8; U2 6; U7 3 4 6; U8 7; U9 7; U11 7; U12 2 3 7 35 61 85; U13 1 2 5 6 10 11 12 14 15 16 17 22 23 25 26 27 28; U14 1 2 5 13; U16 5 6 7 8; U20 10 11; U21 3; U22 3; U23 11 13; U24 1; U27 2 6; U28 2 6; U29 5

## Via types
v1: diameter 0.6, hole 0.3, Top to Bottom, 644 vias
v2: diameter 0.8, hole 0.4, Top to Bottom, 17 vias
v3: diameter 1, hole 0.5, Top to Bottom, 1 via

## Routing (per net, layer and track width the routed paths; a pad name or vN(x,y) marks a point on that pad's centre or on a via; arc(x,y) is an arc through that point)
3V3_CM4: length 274.5
  Top w0.25: v1(77.6,33.3) 77.9,33 77.9,29 78.49,28.41 D5.2 ; v1(41.7,60.2) 43.1,61.6 43.1,66.07 44.34,67.31 ; v1(85.6,14.8) 85.6,13.85 85.05,13.3 J27.15 ; J11.1 88.73,49.4 80.77,49.4 J9.1 79.23,49.42 v1(79.2,49.4)
  In1.Cu w0.25: 77.2,53.2 77.5,52.9 v1(79.2,52.9) ; v1(22.91,56.99) 23.39,56.99 23.8,57.4 23.8,58.8 22.9,59.7 19.6,59.7 19.1,60.2 19.1,62.4 18.7,62.8 12.2,62.8 11.4,62 v2(11.4,61.1)
  In1.Cu w0.3: 46.5,58.9 47.36,58.04 v1(47.49,58.04) ; 46.5,58.9 47.7,60.1 50.08,60.1 v1(50.4,60.42) ; 46.5,58.9 43,58.9 v1(41.7,60.2) ; v1(81.5,33.3) 83.3,31.5 83.3,27.9 86.6,24.6 86.6,15.8 v1(85.6,14.8) ; v1(72.1,31.2) 70.3,29.4 57.7,29.4 55.9,31.2 44.83,31.2 v1(44.13,31.9) 43.93,32.1 v1(38,32.1)
  In1.Cu w0.4: v1(81.5,33.3) 76.8,33.3 76,34.1 76,36.7 77.9,38.6 77.9,43.9 79.2,45.2 v1(79.2,49.4) 78.8,49.4 77.2,51 77.2,54.5 74.4,57.3 v1(73,57.3) 74.2,58.5 74.2,68.1 73.4,68.9 45.93,68.9 44.34,67.31
  In1.Cu w0.6: v2(11.4,61.1) 11.4,62.1 10.6,62.9 10.6,68 11.6,69 42.66,69 44.34,67.31
  Bottom w0.15: v1(22.91,56.99) 22.91,56.57 23.42,56.05 U14.28 ; U23.14 43.23,61 ; U23.17 45.9,63.1 45.6,63.4 45.6,66.06 44.34,67.31 ; 71.5,58.5 71.5,59 71.4,59.1 70.18,59.1 70.1,59.02 Module1.78 ; U23.7 46.7,58.45 47.11,58.04 v1(47.49,58.04) ; v1(41.7,60.2) 42.28,60.77 C49.1 ; U23.1 49.3,61.4 50.28,60.42 v1(50.4,60.42) ; v1(81.5,33.3) U24.5
  Bottom w0.2: U15.5 79.7,54.8 79.2,54.3 v1(79.2,52.9)
  Bottom w0.25: v1(85.6,14.8) 86.3,15.5 86.3,17.9 86,18.2 J10.3 ; v1(44.13,31.9) 44.62,32.4 R45.1 ; v1(38,32.1) 38.7,32.8 U19.1 ; v1(77.6,33.3) 75.5,31.2 v1(72.1,31.2)
  Bottom w0.4: v2(11.4,61.1) 11.4,59.85 C19.1 11.05,59.3 U10.1
  vias: v1(71.6,57.3) v1(72.3,57.3)
